# Altium PCB PMT_simulator.PcbDoc (part 3 of 5)
Units mm, origin at the board's own origin, x right, y up, seen from the top; angles counter-clockwise.
Board outline 222.04 x 100 mm, 4 copper layers (TopLayer, Internal Plane 1, Internal Plane 2, BottomLayer), stack 1.512 mm thick; 404 components, 266 nets, 1336 pads, 865 vias.
Unrouted connection lines stored in the file: 3.
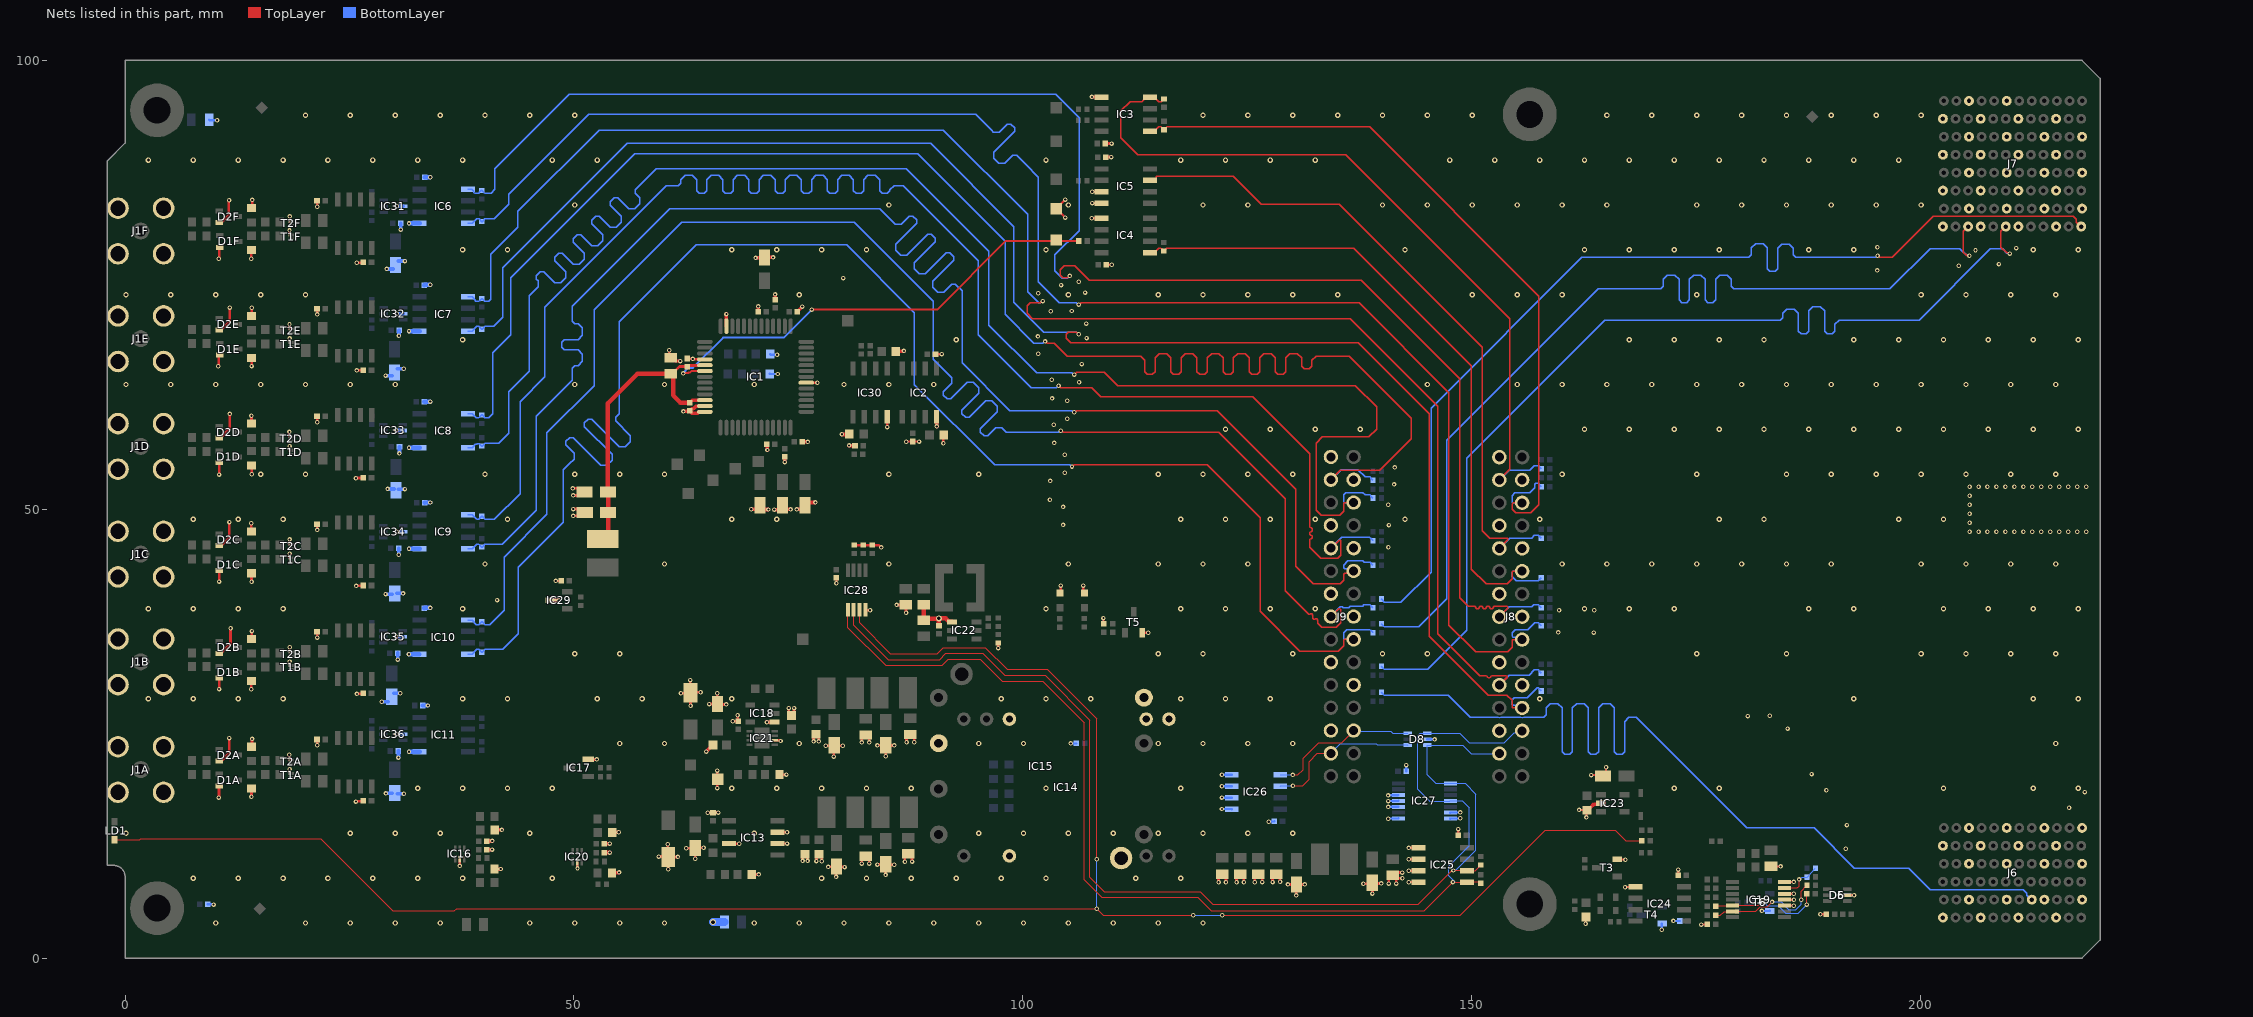
[diagram p5: the nets of this part, all layers, seen from the top]

## Via types
v1: diameter 0.5, hole 0.25, TopLayer to BottomLayer, tented both sides, 509 vias
v2: diameter 0.6, hole 0.3, TopLayer to BottomLayer, tented both sides, 338 vias
v3: diameter 0.7, hole 0.4, TopLayer to BottomLayer, tented both sides, 14 vias
v4: diameter 0.5, hole 0.25, TopLayer to BottomLayer, 4 vias

## Nets (pads, with @x,y where several pads share a name; then routed paths per layer and width w, separated by ;. In a path a pad name is that pad's centre, name@x,y a point inside that pad or via, vN(x,y) a via of type N, cw(c..) or ccw(c..) an arc to the next point about the centre after c; other vN are vias at no path point) (continued)
BP_IO.LVDS_P12: J7.A1 R157.1 | length 114.8
  TopLayer w0.14: v1(195.25,78.25) 195.312,78.25 195.512,78.05 196.876,78.05 201.469,82.644 217.037,82.644 217.389,82.292 217.389,82.11 217.389,81.994 217.883,81.5 J7.A1@217.939,81.5
  BottomLayer w0.14: R157.1@139.97,40 140.19,39.78 140.19,39.732 140.272,39.65 142.15,39.65 145.5,43 145.5,61.25 162.3,78.05 180.756,78.05 180.914,78.05 181.203,78.339 181.203,79.109 181.668,79.574 182.494,79.574 182.959,79.109 182.959,76.815 183.248,76.526 183.826,76.526 184.115,76.815 184.115,79.077 184.58,79.542 185.406,79.542 185.871,79.077 185.871,78.339 186.16,78.05 191.085,78.05 195.05,78.05 v1(195.25,78.25)
BP_IO.LVDS_P13: J7.J1 R158.1 | length 110.4
  TopLayer w0.14: J7.J1@205.339,81.5 204.789,80.95 204.789,78.659 205.233,78.215 205.465,78.215 v1(205.491,78.241)
  BottomLayer w0.14: R158.1@139.97,37.25 140.19,37.03 140.19,36.982 140.272,36.9 144.15,36.9 147.25,40 147.25,57.674 164.126,74.55 170.926,74.55 171.084,74.55 171.373,74.839 171.373,75.609 171.838,76.074 172.665,76.074 173.129,75.609 173.129,73.315 173.418,73.026 173.996,73.026 174.285,73.315 174.285,75.609 174.75,76.074 175.577,76.074 176.041,75.609 176.041,73.315 176.33,73.026 176.908,73.026 177.197,73.315 177.197,75.609 177.662,76.074 178.489,76.074 178.953,75.609 178.953,74.839 179.242,74.55 179.75,74.55 196.626,74.55 201.126,79.05 204.398,79.05 205.164,78.284 205.447,78.284 v1(205.491,78.241)
BP_IO.LVDS_P14: J7.G1 R159.1 | length 114.3
  TopLayer w0.14: J7.G1@209.539,81.5 208.989,80.95 208.989,79.206 209.637,78.558 209.92,78.558 v1(209.989,78.489)
  BottomLayer w0.14: R159.1@139.97,32.5 140.19,32.28 140.19,32.232 140.272,32.15 145.15,32.15 149.5,36.5 149.5,55.674 164.876,71.05 180.389,71.05 184.39,71.05 184.679,71.339 184.679,71.836 185.144,72.301 185.97,72.301 186.435,71.836 186.435,69.815 186.724,69.526 187.302,69.526 187.591,69.815 187.591,72.109 188.056,72.574 188.882,72.574 189.347,72.109 189.347,69.815 189.636,69.526 190.214,69.526 190.503,69.815 190.503,70.585 190.968,71.05 191.25,71.05 199.876,71.05 207.826,79 209.195,79 209.662,78.533 209.945,78.533 v1(209.989,78.489)
BP_IO.LVDS_P15: J6.E2 R160.1 | length 113
  BottomLayer w0.14: R160.1@139.97,29.615 140.19,29.395 140.19,29.347 140.272,29.265 147.409,29.265 149.746,26.928 149.875,26.799 152.964,26.799 ccw(c153.114,27.858) 153.265,26.799 155.504,26.799 ccw(c155.654,27.858) 155.805,26.799 157.688,26.799 158.054,26.799 158.343,27.088 158.343,27.858 158.808,28.323 159.634,28.323 160.099,27.858 160.099,22.972 160.388,22.683 160.966,22.683 161.255,22.972 161.255,27.858 161.72,28.323 162.546,28.323 163.011,27.858 163.011,22.972 163.3,22.683 163.878,22.683 164.167,22.972 164.167,27.858 164.632,28.323 165.458,28.323 165.923,27.858 165.923,22.972 166.212,22.683 166.79,22.683 167.079,22.972 167.079,26.334 167.544,26.799 167.826,26.799 168.375,26.799 180.674,14.5 188.174,14.5 192.674,10 198.75,10 201.125,7.625 211.498,7.625 211.889,7.234 211.889,6.994 212.383,6.5 J6.E2@212.439,6.5
CSn: IC1.45 R9.1 TP4.1 | length 52.9
  TopLayer w0.22: v1(76.5,72.25) 90.5,72.25 98.139,79.889 101.633,79.889 101.638,79.884 103.634,79.884 TP4.1@103.75,80 104.25,80 104.25,79.914 104.275,79.889 R9.1@106.248,79.889
  TopLayer w0.23: v1(62.18,65.127) 62.231,65.179 62.733,65.179 62.796,65.242 62.958,65.242 63.116,65.4 IC1.45@64.6,65.4
  BottomLayer w0.22: v1(62.18,65.127) 62.18,65.18 62.75,65.75 63.25,65.75 66.626,69.126 73.376,69.126 v1(76.5,72.25)
DVCC: C16.1 C17.2 C18.2 C19.2 C20.1 IC1.44 IC1.50 L1.2 | length 34.3
  TopLayer w0.3: C17.2@60.782,65.072 60.794,65.072 60.957,65.072 61.781,65.897 C19.2@62.65,65.897 62.775,66.021 64.571,66.021 IC1.44@64.6,66.05
  TopLayer w0.4: C18.2@62.896,61.871 63.174,62.15 IC1.50@64.6,62.15
  TopLayer w0.5: L1.2@53.196,46.696 53.808,47.309 C16.1@53.808,49.649 C20.1@53.808,51.876 ; C20.1@53.796,51.934 53.796,61.796 57.069,65.069 60.778,65.069 C17.2@60.782,65.072 ; C17.2@60.794,65.072 61.069,64.797 61.069,62.681 61.879,61.871 C18.2@62.896,61.871
GA0: IC19.6 R69.2 R130.1 | length 4.8
  TopLayer w0.127: IC19.6@184.9,7.8 186.3,7.8 186.5,8 v1(186.5,8.75)
  BottomLayer w0.127: v1(186.5,8.75) 186.601,8.75 186.851,9 R130.1@187.391,9 187.391,9.02 188.104,9.733 188.104,9.785 R69.2@188.331,10.011
GA1: IC19.12 R64.2 R131.1 | length 12.5
  TopLayer w0.127: R64.2@177.302,5.832 IC19.12@179.082,5.832 ; IC19.12@179.1,5.85 181.99,5.85 182.438,6.299 v1(182.458,6.299) ; R131.1@187.373,7.164 R131.1@187.373,7.164 v1(187.375,5.956)
  TopLayer w0.254: R64.2@177.22,5.75 R64.2@177.302,5.832 ; IC19.12@179.082,5.832 IC19.12@179.1,5.85
  BottomLayer w0.127: v1(182.458,6.299) 182.955,5.801 184.199,5.801 185,5 186.419,5 v1(187.375,5.956)
GA2: IC19.13 R46.2 R136.1 | length 13.1
  TopLayer w0.127: R46.2@177.22,4.75 177.746,4.75 178.157,5.162 179.062,5.162 IC19.13@179.1,5.2 181.7,5.2 181.927,5.427 ; 181.927,5.429 182.186,5.687 ; 182.187,5.687 182.232,5.732 182.982,5.732 v1(183.5,6.25) ; v1(186.75,6.5) 186.75,7.455 187.39,8.095 R136.1@187.39,8.115
  BottomLayer w0.127: v1(183.5,6.25) 184.5,6.25 185.362,5.388 186.138,5.388 186.75,6 v1(186.75,6.5)
GND: C1.1 C2.1 C3.2 C4.1 C5.1 C6.1 C7.1 C8.2 C9.1 C10.2 C11.1 C12.1 C13.1 C14.1 C15.1 C16.2 C17.1 C18.1 C19.1 C20.2 C21.1 C22.1 C23.1 C24.1 C25.1 C26.1 C27.1 C28.1 C29.1 C32.1 C33.1 C34.2 C36.2 C37.1 C38.1 C39.1 C40.2 C41.1 C42.2 C43.2 C44.1 C45.1 C46.1 C47.1 C48.1 C49.1 C50.1 C51.1 C52.1 C53.1 C54.1 C55.1 C57.1 C58.1 C59A.1 C59B.1 C59C.1 C59D.1 C59E.1 C59F.1 C60.1 C61.1 C62.1 C63.1 C64A.1 C64B.1 C64C.1 C64D.1 C64E.1 C64F.1 C65.2 C67.1 C68.1 C70.1 C71.1 C72.1 C73.1 C74.1 C75.1 C76.1 C77.1 C78.1 C79.1 C80.1 C81.1 C83.1 C84.1 C85.1 C86.1 C87.1 C88.1 C89.1 C90.2 C91.2 C92.2 C93.2 C94.2 C95.2 C96.1 C97.1 C212.2 C219.1 C220.1 D1A.2 D1B.2 D1C.2 D1D.2 D1E.2 D1F.2 D2A.2 D2B.2 D2C.2 D2D.2 D2E.2 D2F.2 D3.2 D4.1 D5.2 D6.2 D8.2 IC1.19 IC1.38 IC1.43 IC1.51 IC1.52 IC2.4 IC3.5 IC4.5 IC5.3 IC5.4 IC6.5 IC7.5 IC8.5 IC9.5 IC10.5 IC11.5 IC13.3 IC13.6 IC13.7 IC14.2 IC14.3 IC14.9 IC14.16 IC15.3 IC15.5 IC15.8 IC16.2 IC17.2 IC18.1 IC19.3 IC19.4 IC19.5 IC19.7 IC20.2 IC21.6 IC22.1 IC23.2 IC24.1 IC25.1 IC25.2 IC25.3 IC25.4 IC26.1 IC26.2 IC26.3 IC26.4 IC27.6 IC27.7 IC27.8 IC27.10 IC27.11 IC27.12 IC28.4 IC29.3 IC30.4 IC31.2 IC32.2 IC33.2 IC34.2 IC35.2 IC36.2 J1A.2 J1B.2 J1C.2 J1D.2 J1E.2 J1F.2 J6.A2 J6.A4 J6.A6 J6.C1 J6.C5 J6.D2 J6.D4 J6.D6 J6.F1 J6.F5 J6.G2 J6.G4 J6.G6 J6.I1 J6.I5 J6.J2 J6.J4 J6.J6 J6.L1 J6.L5 J7.A2 J7.A4 J7.A6 J7.C1 J7.C3 J7.C5 J7.C7 J7.D2 J7.D4 J7.D6 J7.F1 J7.F3 J7.F5 J7.F7 J7.G2 J7.G4 J7.G6 J7.G8 J7.I1 J7.I3 J7.I5 J7.I7 J7.J2 J7.J4 J7.J6 J7.J8 J7.L1 J7.L3 J7.L5 J7.L7 J8.1 J8.4 J8.7 J8.10 J8.13 J8.16 J8.19 J8.22 J8.25 J9.1 J9.4 J9.7 J9.10 J9.13 J9.16 J9.19 J9.22 J9.25 LD2.1 LD3.1 R38A.1 R38B.1 R38C.1 R38D.1 R38E.1 R38F.1 R42A.1 R42B.1 R42C.1 R42D.1 R42E.1 R42F.1 R45.1 R50.1 R58.1 R62.1 R65.1 R68.1 R79.1 R80.1 R81.1 R85.1 R119.2 R126.2 R129.1 T1A.2 T1B.2 T1C.2 T1D.2 T1E.2 T1F.2 T2A.2 T2B.2 T2C.2 T2D.2 T2E.2 T2F.2 T3.2 T4.2 T5.2 T6.2 TP12.1 TP13.1 | length 243.4
  TopLayer w0.2: v1(18.286,22.641) 18.305,22.622 18.305,22.098 T2A.2@18.334,22.069 ; v1(18.305,58.618) 18.314,58.609 18.314,58.088 T2D.2@18.334,58.069 ; v1(18.317,70.611) 18.32,70.608 18.32,70.082 T2E.2@18.334,70.069 ; v1(18.317,81.058) 18.32,81.054 18.32,80.582 T1F.2@18.334,80.569 ; v1(18.325,46.638) 18.324,46.079 T2C.2@18.334,46.069 ; v1(18.328,21.035) 18.326,21.033 18.326,20.577 T1A.2@18.334,20.569 ; v1(18.328,33.035) v1(18.328,33.035) 18.326,32.577 T1B.2@18.334,32.569 ; v1(18.328,45.035) 18.326,45.033 18.326,44.577 T1C.2@18.334,44.569 ; v1(18.328,57.035) v1(18.328,57.035) 18.326,56.577 T1D.2@18.334,56.569 ; v1(18.328,69.035) 18.326,69.033 18.326,68.577 T1E.2@18.334,68.569 ; T2B.2@18.334,34.069 18.328,34.075 18.328,34.612 v1(18.333,34.616) ; T2F.2@18.334,82.069 18.336,82.071 18.336,82.612 v1(18.348,82.624)
  TopLayer w0.254: IC16.2@37.261,11.027 37.27,11.018 37.27,10.27 v1(37.28,10.261) ; IC29.3@47.435,39.865 IC29.3@47.45,39.849 ; v1(47.983,42.01) C81.1@48.593,42.01 ; IC20.2@50.357,10.707 50.37,10.694 50.37,10.011 v1(50.405,9.976) ; v1(65.973,20.88) 65.973,19.947 TP12.1@66.015,19.905 65.984,19.874 v1(65.984,18.93) ; IC13.3@67.272,12.751 67.28,12.743 68.419,12.743 v1(68.428,12.734) ; IC21.6@72.367,24.259 72.369,24.257 72.884,24.257 72.963,24.178 v1(73.03,24.178) ; IC13.7@72.672,14.021 72.683,14.011 73.739,14.011 v1(73.75,14) ; IC13.6@72.672,12.751 v1@73.749,12.751 ; IC1.19@75.9,64.1 75.904,64.096 77.131,64.096 v1(77.135,64.093) ; v1(79.25,41.75) C80.1@79.25,42.35 ; R81.1@81.25,46 R80.1@82.25,46 R79.1@83.25,46 84,46 v1(84.25,45.75) ; IC28.4@82.475,38.8 82.525,38.75 v1(83,38.75) ; IC30.4@84.905,60.3 84.907,60.298 84.907,59.159 v1(84.91,59.156) ; v1(87.029,57.53) 87.039,57.54 87.74,57.54 C97.1@87.75,57.55 87.754,57.546 88.461,57.546 v1(88.465,57.541) ; C96.1@90.293,67.267 90.301,67.274 90.968,67.274 v1(90.976,67.282) ; v1(91.169,57.351) 91.169,58.226 C7.1@91.224,58.281 ; R68.1@97.272,35.089 97.279,35.082 97.279,34.532 v1(97.286,34.526) ; LD3.1@104.151,40.675 104.25,40.775 v1(104.25,41.5) ; v1(104.75,82.5) TP13.1@103.75,83.5 v1(104.75,84.5) ; v1(106.75,41.5) 106.75,40.826 LD2.1@106.901,40.675 ; v1(108.997,37.877) 109.007,37.867 109.007,37.25 R85.1@109.017,37.24 ; T5.2@113.322,36.259 113.331,36.25 v1(114,36.25) ; v1(143.008,8.453) 143.015,8.46 IC25.4@144.1,8.46 IC25.4@144.107,8.467 ; v1(143.008,9.723) 143.015,9.73 IC25.3@144.1,9.73 IC25.3@144.107,9.737 ; v1(143.008,10.993) 143.015,11 IC25.2@144.1,11 IC25.2@144.107,11.007 ; v1(143.008,12.263) 143.015,12.27 IC25.1@144.1,12.27 IC25.1@144.107,12.277 ; v1@148.54,14.345 148.546,14.339 148.546,13.663 C219.1@148.553,13.656 ; v1(162,16.5) C60.1@162.814,16.5 ; v1(162.722,3.804) 162.722,4.516 C78.1@162.774,4.567 ; v1(162.814,15.661) 162.814,16.402 C60.1@162.865,16.452 ; v1(163.348,20.385) 164.558,20.385 C65.2@164.664,20.279 165,20.615 v1(165,21.25) ; IC23.2@164.282,17.082 IC23.2@164.45,17.25 ; T3.2@166.262,10.997 166.285,10.974 167.143,10.974 v1(167.166,10.951) ; v1(167.114,7.891) 167.134,7.911 168.245,7.911 IC24.1@168.264,7.93 ; C76.1@173.023,9.239 173.033,9.249 173.033,9.837 v1(173.044,9.848) ; v1(175.616,3.727) 175.629,3.74 176.287,3.74 C74.1@176.3,3.753 ; C75.1@183.383,10.209 183.395,10.197 v1(184.447,10.197) ; IC19.3@184.9,5.85 184.911,5.839 185.915,5.839 v1(185.926,5.828) ; IC19.4@184.9,6.5 184.911,6.489 185.925,6.489 v1(185.936,6.478) ; IC19.5@184.9,7.15 184.902,7.152 185.919,7.152 v1(185.921,7.154) ; IC19.7@184.9,8.45 184.91,8.46 185.901,8.46 v1(185.911,8.469) ; v1(188.883,4.866) 188.886,4.863 189.541,4.863 R129.1@189.543,4.861 ; D6.2@191.85,7 v1(192.634,7)
  TopLayer w0.3: v1(10.389,65.919) 10.427,65.957 10.427,67.115 D1E.2@10.494,67.182 ; v1(10.443,17.877) 10.469,17.902 10.469,19.157 D1A.2@10.494,19.182 ; v1(10.445,77.915) 10.483,77.953 10.483,79.171 D1F.2@10.494,79.182 ; v1(10.464,41.944) 10.479,41.959 10.479,43.167 D1C.2@10.494,43.182 ; v1(10.464,53.863) 10.479,53.878 10.479,55.167 D1D.2@10.494,55.182 ; v1(10.473,29.959) 10.483,29.97 10.483,31.171 D1B.2@10.494,31.182 ; D2A.2@10.494,21.946 10.619,22.071 10.834,22.071 11.592,22.828 11.592,24.502 v1(11.599,24.51) ; D2B.2@10.494,33.946 10.619,34.071 10.794,34.071 11.75,35.027 v1(11.75,36.75) ; D2C.2@10.494,45.946 10.619,46.071 10.826,46.071 11.62,46.865 v1(11.62,48.57) ; D2D.2@10.494,57.946 10.644,57.946 10.769,58.071 10.769,58.107 11.658,58.996 v1(11.658,60.625) ; D2E.2@10.494,69.946 10.619,70.071 10.783,70.071 11.653,70.941 v1(11.653,72.465) ; D2F.2@10.494,81.946 10.619,82.071 10.838,82.071 11.562,82.795 11.562,84.415 v1(11.579,84.432) ; v1(14.049,29.953) 14.049,30.819 R38B.1@14.099,30.869 ; v1(14.058,77.909) 14.058,78.828 R38F.1@14.099,78.869 ; v1(14.067,48.442) 14.067,47.576 R42C.1@14.103,47.539 ; v1(14.073,60.414) 14.073,59.57 R42D.1@14.103,59.539 ; v1(14.081,17.964) 14.081,18.851 R38A.1@14.099,18.869 ; v1(14.09,41.909) 14.09,42.86 R38C.1@14.099,42.869 ; v1(14.097,65.955) 14.097,66.867 R38E.1@14.099,66.869 ; R38D.1@14.099,54.869 14.114,54.854 v1(14.114,53.893) ; R42A.1@14.103,23.539 14.146,23.582 v1(14.146,24.408) ; R42B.1@14.103,35.539 14.125,35.561 v1(14.125,36.431) ; R42E.1@14.103,71.539 v1(14.103,72.452) ; R42F.1@14.103,83.539 14.155,83.591 v1(14.155,84.467) ; v1@21.392,23.705 C59A.1@21.392,24.312 ; v1@21.392,35.705 C59B.1@21.392,36.312 ; v1@21.392,47.705 C59C.1@21.392,48.312 ; v1@21.392,59.705 C59D.1@21.392,60.312 ; v1@21.392,71.705 C59E.1@21.392,72.312 ; v1@21.392,83.705 C59F.1@21.392,84.312 ; v1(25.719,53.457) 25.741,53.479 26.529,53.479 C64D.1@26.55,53.5 ; v1(25.72,17.423) 25.759,17.461 26.511,17.461 C64A.1@26.55,17.5 ; v1(25.754,41.45) 25.779,41.475 26.525,41.475 C64C.1@26.55,41.5 ; v1(25.797,77.452) 25.821,77.476 26.526,77.476 C64F.1@26.55,77.5 ; v1(25.813,65.471) 25.828,65.485 26.535,65.485 C64E.1@26.55,65.5 ; v1(25.831,29.419) 25.869,29.457 26.507,29.457 C64B.1@26.55,29.5 ; v1(49.888,52.322) 49.891,52.325 50.458,52.325 C20.2@50.461,52.328 ; v1(49.927,51.535) 49.93,51.538 50.497,51.538 C20.2@50.5,51.542 ; v1(49.934,49.26) 49.937,49.263 50.503,49.263 C16.2@50.506,49.267 ; v1(49.94,50.014) 49.943,50.017 50.51,50.017 C16.2@50.513,50.021 ; IC17.2@51.975,22.113 51.978,22.116 52.545,22.116 v1(52.548,22.119) ; v1(59.465,11.307) 59.468,11.31 60.034,11.31 D3.2@60.038,11.313 ; v1(60.454,12.668) 60.457,12.664 60.457,12.098 D3.2@60.46,12.095 ; D3.2@60.52,10.471 60.523,10.468 60.523,9.902 v1(60.526,9.899) ; v1(60.63,67.726) 60.63,66.992 C17.1@60.801,66.821 ; C17.1@60.894,66.876 61.259,66.512 v1(61.839,66.512) ; D3.2@61.023,11.257 61.027,11.26 61.593,11.26 v1(61.596,11.263) ; v1(61.927,29.494) 61.93,29.497 62.497,29.497 D4.1@62.5,29.5 ; v1(62.521,12.222) 62.524,12.225 63.09,12.225 C34.2@63.094,12.228 ; C19.1@62.65,66.797 62.673,66.773 63.227,66.773 v1(63.25,66.75) 63.275,66.725 64.575,66.725 IC1.43@64.6,66.7 ; v1(62.956,30.964) 62.959,30.961 62.959,30.394 D4.1@62.962,30.391 ; D4.1@63.002,28.667 63.005,28.664 63.005,28.098 v1(63.009,28.095) ; v1(63.53,11.06) 63.53,11.602 C34.2@63.586,11.658 ; D4.1@63.55,29.594 63.553,29.597 64.12,29.597 v1(64.123,29.6) ; C34.2@63.882,12.271 63.885,12.274 64.452,12.274 v1(64.455,12.277) ; v1(64.927,16.194) 64.93,16.197 65.497,16.197 C33.1@65.5,16.2 65.503,16.203 66.07,16.203 v1(66.073,16.206) ; v1(65.079,28.292) 65.083,28.296 65.649,28.296 C58.1@65.652,28.299 ; v1(65.985,29.489) 65.988,29.486 65.988,28.92 C58.1@65.991,28.917 ; C58.1@66.409,28.239 66.413,28.242 66.979,28.242 v1(66.982,28.245) ; v1(67.711,26.378) 67.715,26.381 68.281,26.381 68.274,26.388 68.274,27.002 v1(68.241,27.035) ; R45.1@70.022,9.303 70.025,9.306 70.592,9.306 v1(70.595,9.31) ; R62.1@73.112,20.431 73.116,20.434 73.682,20.434 v1(73.685,20.437) ; v1@73.942,27.887 73.945,27.884 73.945,27.317 C67.1@73.948,27.314 ; v1(74.533,27.853) 74.536,27.85 74.536,27.284 C67.1@74.539,27.28 ; C32.1@75.47,11.391 75.474,11.388 75.474,10.821 v1(75.477,10.818) ; C32.1@76.032,11.385 76.035,11.382 76.035,10.815 v1(76.039,10.812) ; v1(76.701,24.126) 76.701,24.673 C51.1@76.732,24.704 ; C41.1@77.026,11.373 77.029,11.37 77.029,10.803 v1(77.032,10.8) ; C51.1@77.269,24.697 77.272,24.693 77.272,24.127 v1(77.275,24.124) ; C41.1@77.605,11.361 77.609,11.358 77.609,10.792 v1(77.612,10.788) ; v1(78.06,23.658) 78.063,23.662 78.629,23.662 C52.1@78.633,23.665 ; v1(78.353,10.149) 78.356,10.152 78.923,10.152 C42.2@78.926,10.155 ; C52.1@78.937,23.022 78.94,23.019 78.94,22.452 v1(78.943,22.449) ; C42.2@79.204,9.6 79.207,9.596 79.207,9.03 v1(79.21,9.027) ; C52.1@79.396,23.63 79.399,23.633 79.966,23.633 v1(79.969,23.636) ; C42.2@79.585,10.126 79.589,10.129 80.155,10.129 v1(80.158,10.132) ; C39.1@82.074,11.095 82.078,11.092 82.078,10.526 v1(82.081,10.522) ; C49.1@82.081,24.591 82.085,24.587 82.085,24.021 v1(82.088,24.018) ; C39.1@82.891,11.095 82.895,11.092 82.895,10.526 v1(82.898,10.522) ; C49.1@82.908,24.598 82.911,24.595 82.911,24.028 v1(82.915,24.025) ; v1(83.815,10.414) 83.819,10.417 84.385,10.417 C40.2@84.388,10.421 ; v1(83.819,23.687) 83.823,23.69 84.389,23.69 C50.1@84.392,23.693 ; C40.2@84.724,9.83 84.727,9.827 84.727,9.26 v1(84.73,9.257) ; C50.1@84.739,23.064 84.742,23.061 84.742,22.494 v1(84.745,22.491) ; C40.2@85.12,10.374 85.123,10.377 85.69,10.377 v1(85.693,10.38) ; C50.1@85.12,23.679 85.123,23.682 85.69,23.682 v1(85.693,23.685) ; v1(85.956,39.337) C73.1@86.896,39.337 ; C38.1@86.874,11.296 86.877,11.293 86.877,10.726 v1(86.88,10.723) ; v1(87.006,38.477) C73.1@87.006,39.417 ; C48.1@87.064,24.612 87.067,24.609 87.067,24.042 v1(87.07,24.039) ; C38.1@87.68,11.324 87.683,11.321 87.683,10.754 v1(87.686,10.751) ; C48.1@87.905,24.605 87.908,24.602 87.908,24.035 v1(87.911,24.032) ; v1(107.711,82.425) 107.716,82.421 108.309,82.421 IC4.5@108.313,82.416 ; v1(107.722,95.934) 107.726,95.929 108.319,95.929 IC3.5@108.324,95.925 ; v1(107.747,84.111) 107.751,84.107 108.345,84.107 IC5.4@108.349,84.102 ; v1(107.751,85.367) 107.756,85.363 108.349,85.363 IC5.3@108.353,85.359 ; C26.1@109.2,90.75 109.204,90.746 109.9,90.746 v1(109.904,90.743) ; C22.1@109.283,89.235 109.876,89.235 v1(109.88,89.231) ; C23.1@109.327,77.254 109.328,77.253 109.928,77.253 v1(109.929,77.252) ; v1(121.831,8.428) C45.1@121.831,9.368 ; C45.1@122.25,9.35 122.277,9.35 122.652,8.975 v1(122.652,8.44) ; v1(123.831,8.428) C44.1@123.831,9.368 ; C44.1@124.25,9.35 124.277,9.35 124.652,8.975 v1(124.652,8.44) ; v1(125.848,8.428) C46.1@125.848,9.368 ; C46.1@126.25,9.35 126.312,9.35 126.687,8.975 v1(126.687,8.457) ; v1(127.849,8.462) C47.1@127.849,9.402 ; C47.1@128.25,9.35 128.308,9.35 128.683,8.975 v1(128.683,8.483) ; v1(129.56,8.2) C43.2@130.5,8.2 v1(131.44,8.2) ; v1(130.479,6.971) 130.479,7.979 C43.2@130.5,8 ; v1(137.968,8.268) 138.732,8.268 C36.2@138.75,8.25 ; C36.2@138.958,8.393 139.049,8.302 v1(139.957,8.302) ; v1(138.972,7.184) C36.2@138.972,8.124 ; v1(140.794,8.297) 140.794,8.828 141.169,9.203 C37.1@141.237,9.203 ; C37.1@141.25,9.19 141.58,9.52 v1(142.296,9.52) ; C37.1@141.374,8.873 v1(142.314,8.873) ; v1(141.624,8.289) C37.1@141.624,9.229
  TopLayer w0.4: C53.1@40.302,12.07 40.305,12.073 40.882,12.073 v1(40.885,12.077) ; C55.1@40.302,13.028 40.311,13.036 40.904,13.036 v1(40.913,13.045) ; R58.1@41.142,9.894 41.153,9.906 41.853,9.906 v1(41.865,9.917) ; C54.1@41.167,14.278 41.171,14.274 41.983,14.274 v1(41.987,14.27) ; IC29.3@47.724,39.84 v1(48.324,39.84) ; C61.1@53.4,11.75 v1(54,11.75) ; C63.1@53.4,12.75 v1(54,12.75) ; R65.1@54.24,9.48 54.274,9.514 55.013,9.514 v1(55.032,9.533) ; C62.1@54.265,14 v1(55,14) ; v1(62.211,60.901) 62.23,60.92 62.845,60.92 C18.1@62.896,60.971 ; IC1.52@64.6,60.85 63.936,60.85 63.801,60.714 63.153,60.714 C18.1@62.896,60.971 ; IC1.51@64.6,61.5 64.59,61.49 63.6,61.49 63.32,61.211 63.135,61.211 C18.1@62.896,60.971 ; v1(64.75,23) C68.1@65.5,23.75 ; IC1.38@67,70.4 v1(67,71.75) ; v1(69.75,50) 70.325,50 C10.2@70.75,50.425 ; v1(70.25,78) 70.825,78 71.254,78.429 C8.2@71.254,78.7 ; C9.1@70.55,72 v1(70.55,72.6) ; C10.2@70.75,50.45 C10.2@70.75,50.425 ; C11.1@71.5,57.25 71.544,57.206 71.544,56.618 v1(71.563,56.599) ; v1(71.516,26.277) 71.527,26.289 72.339,26.289 IC18.1@72.35,26.3 ; C8.2@71.589,78.061 v1(72.189,78.061) ; v1(71.673,49.97) 71.175,49.97 70.75,50.395 C10.2@70.75,50.425 ; v1(72.337,49.957) 72.825,49.957 73.25,50.382 C13.1@73.25,50.45 ; C15.1@72.42,73.333 v1(72.42,73.933) ; C13.1@73.25,50.404 73.675,49.979 v1(74.146,49.979) ; v1(73.5,55.25) C14.1@73.5,55.85 ; v1(74.82,49.979) 75.325,49.979 C3.2@75.75,50.404 ; C12.1@74.884,72.005 75.454,72.576 v1(75.454,72.579) ; C4.1@75.45,57.5 v1(76.05,57.5) ; C3.2@75.75,50.45 C3.2@75.75,50.404 ; v1(76.916,50.752) 76.165,50.752 75.75,50.338 C3.2@75.75,50.404 ; v1@79.825,58.326 C6.1@80.425,58.326 ; v1@80.629,57.091 C83.1@81.229,57.091 ; C5.1@86.059,67.62 86.062,67.617 86.756,67.617 v1(86.773,67.634) ; v1(90.436,59.221) IC2.4@90.436,59.821 ; C60.1@162.865,16.452 163.14,16.727 163.245,16.727 163.667,17.15 164.198,17.15 IC23.2@164.282,17.234
  TopLayer w0.5: C72.1@89,39.35 C71.1@89,37.65 89.126,37.776 90.612,37.776 v3(90.67,37.833) ; C70.1@90.683,37.039 90.676,37.045 90.676,37.827 v3(90.67,37.833) ; IC22.1@92.15,37.45 92.125,37.475 91.787,37.475 91.429,37.833 v3(90.67,37.833)
  BottomLayer w0.254: C212.2@9.2,6 9.22,5.98 9.835,5.98 v1(9.856,5.96) ; R126.2@9.35,93.4 9.424,93.326 v1(10.243,93.326) ; C2.1@71.825,65.084 71.842,65.067 v1(72.709,65.067) ; C1.1@71.875,67.272 71.942,67.205 v1(72.646,67.205) ; v1(105.356,23.9) 105.361,23.905 105.965,23.905 R50.1@105.97,23.91 ; v1(122.201,20.419) 122.208,20.412 123.293,20.412 IC26.4@123.3,20.405 ; v1(122.208,16.602) 122.215,16.595 IC26.1@123.3,16.595 IC26.1@123.307,16.588 ; v1(122.208,17.872) 122.215,17.865 IC26.2@123.3,17.865 IC26.2@123.307,17.858 ; v1(122.208,19.142) 122.215,19.135 IC26.3@123.3,19.135 IC26.3@123.307,19.128 ; v1(127.418,15.191) 127.447,15.22 128.02,15.22 C220.1@128.05,15.25 ; v1(140.718,18.107) 140.739,18.129 141.829,18.129 IC27.12@141.85,18.15 ; v1(140.739,15.529) 140.761,15.55 IC27.8@141.85,15.55 IC27.8@141.871,15.571 ; v1(140.739,16.829) 140.761,16.85 IC27.10@141.85,16.85 IC27.10@141.871,16.871 ; v1(140.739,17.479) 140.761,17.5 IC27.11@141.85,17.5 IC27.11@141.871,17.521 ; C79.1@142.722,20.797 142.736,20.811 142.736,21.486 v1(142.75,21.5) ; D8.2@145.089,24.382 145.102,24.369 145.883,24.369 v1(145.896,24.355) ; IC27.7@147.629,15.529 IC27.7@147.65,15.55 148.739,15.55 v1(148.761,15.571) ; IC27.6@147.629,16.179 IC27.6@147.65,16.2 148.739,16.2 v1(148.761,16.221) ; v1(171.205,3.153) 171.205,3.819 T4.2@171.241,3.855 ; v1(172.512,4.126) 172.514,4.124 173.221,4.124 C77.1@173.223,4.123 ; v1(182.368,5.246) 182.37,5.248 183.248,5.248 T6.2@183.25,5.25 ; D5.2@191.871,7 v1(192.634,7)